# Altium PCB eRTM15_Baikal.PcbDoc (part 2 of 7)
Units mm, origin at the board's own origin, x right, y up, seen from the top; angles counter-clockwise.
Board outline 161.5 x 148.5 mm, 8 copper layers (Top Layer, RF_Layer_1, GND_PWR_Plane, RF_Layer_3, RF_Layer_4, GND_PWR_Plane_2, RF_Layer_6, Bottom Layer), stack 1.462 mm thick; 749 components, 528 nets, 2540 pads, 2420 vias.
Unrouted connection lines stored in the file: 24.
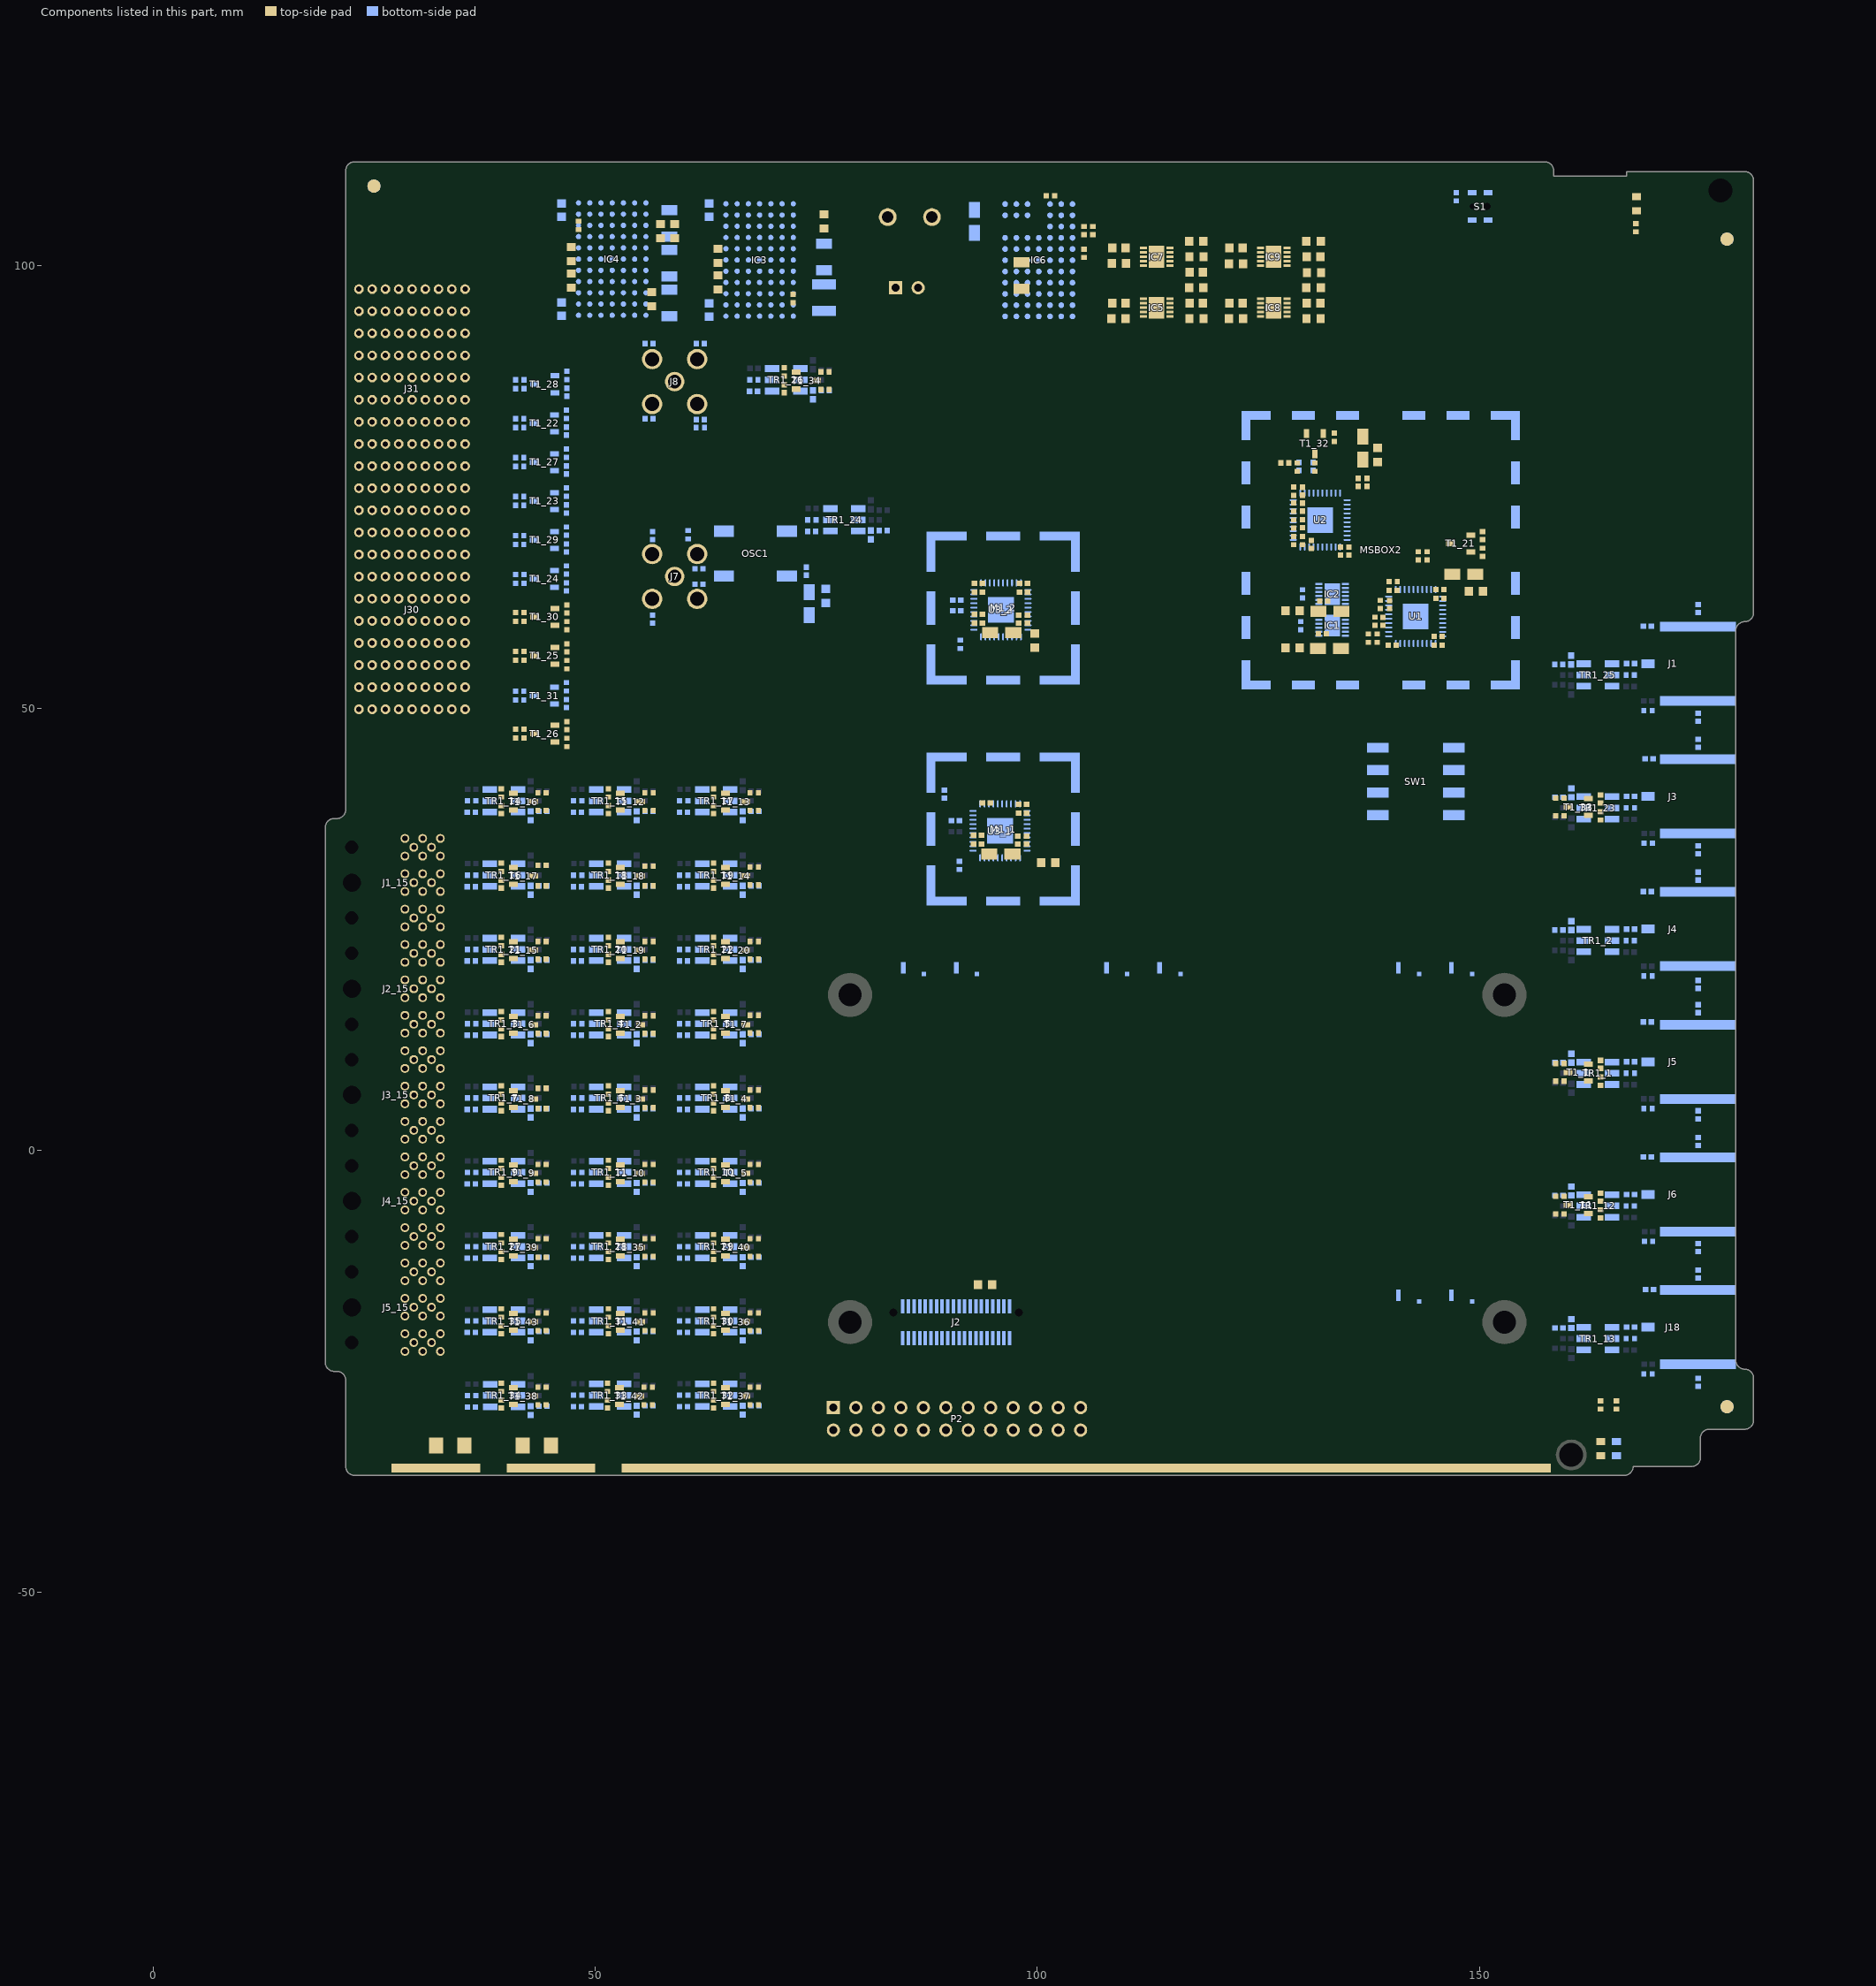
[diagram p8: the components of this part, seen from the top]

## Components (designator, comment, footprint, x,y, rotation, side; value= is the part's Value field where it differs from the comment) (continued)
C11_2 "10nF" CAPC1005X55N 90.9,61 r0 bottom (schematic designator C11)
C12_1 "1nF" CAPC1005X55N 159,9.9 r0 bottom (schematic designator C12)
C12_2 "1nF" CAPC1005X55N 158.995,24.9 r0 bottom (schematic designator C12)
C12_3 "1nF" CAPC1005X55N 44.105,13.1 r180 bottom (schematic designator C12)
C12_4 "1nF" CAPC1005X55N 56.105,13.1 r180 bottom (schematic designator C12)
C12_5 "1nF" CAPC1005X55N 68.105,13.1 r180 bottom (schematic designator C12)
C12_6 "1nF" CAPC1005X55N 56.105,4.7 r180 bottom (schematic designator C12)
C12_7 "1nF" CAPC1005X55N 44.105,4.7 r180 bottom (schematic designator C12)
C12_8 "1nF" CAPC1005X55N 68.105,4.7 r180 bottom (schematic designator C12)
C12_9 "1nF" CAPC1005X55N 44.105,-3.7 r180 bottom (schematic designator C12)
C12_10 "1nF" CAPC1005X55N 68.105,-3.7 r180 bottom (schematic designator C12)
C12_11 "1nF" CAPC1005X55N 56.105,-3.7 r180 bottom (schematic designator C12)
C12_12 "1nF" CAPC1005X55N 158.995,-5.1 r0 bottom (schematic designator C12)
C12_13 "1nF" CAPC1005X55N 159,-20.1 r0 bottom (schematic designator C12)
C12_14 "1nF" CAPC1005X55N 44.105,38.3 r180 bottom (schematic designator C12)
C12_15 "1nF" CAPC1005X55N 56.105,38.3 r180 bottom (schematic designator C12)
C12_16 "1nF" CAPC1005X55N 44.105,29.9 r180 bottom (schematic designator C12)
C12_17 "1nF" CAPC1005X55N 68.105,38.3 r180 bottom (schematic designator C12)
C12_18 "1nF" CAPC1005X55N 56.105,29.9 r180 bottom (schematic designator C12)
C12_19 "1nF" CAPC1005X55N 68.105,29.9 r180 bottom (schematic designator C12)
C12_20 "1nF" CAPC1005X55N 56.105,21.5 r180 bottom (schematic designator C12)
C12_21 "1nF" CAPC1005X55N 44.105,21.5 r180 bottom (schematic designator C12)
C12_22 "1nF" CAPC1005X55N 68.105,21.5 r180 bottom (schematic designator C12)
C12_23 "1nF" CAPC1005X55N 159,39.9 r0 bottom (schematic designator C12)
C12_24 "1nF" CAPC1005X55N 82.59,70.07 r180 bottom (schematic designator C12)
C12_25 "1nF" CAPC1005X55N 158.99,54.93 r0 bottom (schematic designator C12)
C12_26 "1nF" CAPC1005X55N 76.03,85.9 r180 bottom (schematic designator C12)
C12_27 "1nF" CAPC1005X55N 44.105,-12.1 r180 bottom (schematic designator C12)
C12_28 "1nF" CAPC1005X55N 56.105,-12.1 r180 bottom (schematic designator C12)
C12_29 "1nF" CAPC1005X55N 68.105,-12.1 r180 bottom (schematic designator C12)
C12_30 "1nF" CAPC1005X55N 68.105,-20.5 r180 bottom (schematic designator C12)
C12_31 "1nF" CAPC1005X55N 56.105,-20.5 r180 bottom (schematic designator C12)
C12_32 "1nF" CAPC1005X55N 68.105,-28.9 r180 bottom (schematic designator C12)
C12_33 "1nF" CAPC1005X55N 56.105,-28.9 r180 bottom (schematic designator C12)
C12_34 "1nF" CAPC1005X55N 44.11,-28.93 r180 bottom (schematic designator C12)
C12_35 "1nF" CAPC1005X55N 44.105,-20.5 r180 bottom (schematic designator C12)
C13_1 "CAP 0.5pF 10V 0402(1005)" CAPC0402(1005)60_M 160.4,10.4 r90 bottom value=0.5pF (schematic designator C13)
C13_2 "CAP 0.5pF 10V 0402(1005)" CAPC0402(1005)60_M 160.395,25.4 r90 bottom value=0.5pF (schematic designator C13)
C13_3 "CAP 0.5pF 10V 0402(1005)" CAPC0402(1005)60_M 42.705,12.6 r270 bottom value=0.5pF (schematic designator C13)
C13_4 "CAP 0.5pF 10V 0402(1005)" CAPC0402(1005)60_M 54.705,12.6 r270 bottom value=0.5pF (schematic designator C13)
C13_5 "CAP 0.5pF 10V 0402(1005)" CAPC0402(1005)60_M 66.705,12.6 r270 bottom value=0.5pF (schematic designator C13)
C13_6 "CAP 0.5pF 10V 0402(1005)" CAPC0402(1005)60_M 54.705,4.2 r270 bottom value=0.5pF (schematic designator C13)
C13_7 "CAP 0.5pF 10V 0402(1005)" CAPC0402(1005)60_M 42.705,4.2 r270 bottom value=0.5pF (schematic designator C13)
C13_8 "CAP 0.5pF 10V 0402(1005)" CAPC0402(1005)60_M 66.705,4.2 r270 bottom value=0.5pF (schematic designator C13)
C13_9 "CAP 0.5pF 10V 0402(1005)" CAPC0402(1005)60_M 42.705,-4.2 r270 bottom value=0.5pF (schematic designator C13)
C13_10 "CAP 0.5pF 10V 0402(1005)" CAPC0402(1005)60_M 66.705,-4.2 r270 bottom value=0.5pF (schematic designator C13)
C13_11 "CAP 0.5pF 10V 0402(1005)" CAPC0402(1005)60_M 54.705,-4.2 r270 bottom value=0.5pF (schematic designator C13)
C13_12 "CAP 0.5pF 10V 0402(1005)" CAPC0402(1005)60_M 160.395,-4.6 r90 bottom value=0.5pF (schematic designator C13)
C13_13 "CAP 0.5pF 10V 0402(1005)" CAPC0402(1005)60_M 160.4,-19.6 r90 bottom value=0.5pF (schematic designator C13)
C13_14 "CAP 0.5pF 10V 0402(1005)" CAPC0402(1005)60_M 42.705,37.8 r270 bottom value=0.5pF (schematic designator C13)
C13_15 "CAP 0.5pF 10V 0402(1005)" CAPC0402(1005)60_M 54.705,37.8 r270 bottom value=0.5pF (schematic designator C13)
C13_16 "CAP 0.5pF 10V 0402(1005)" CAPC0402(1005)60_M 42.705,29.4 r270 bottom value=0.5pF (schematic designator C13)
C13_17 "CAP 0.5pF 10V 0402(1005)" CAPC0402(1005)60_M 66.705,37.8 r270 bottom value=0.5pF (schematic designator C13)
C13_18 "CAP 0.5pF 10V 0402(1005)" CAPC0402(1005)60_M 54.705,29.4 r270 bottom value=0.5pF (schematic designator C13)
C13_19 "CAP 0.5pF 10V 0402(1005)" CAPC0402(1005)60_M 66.705,29.4 r270 bottom value=0.5pF (schematic designator C13)
C13_20 "CAP 0.5pF 10V 0402(1005)" CAPC0402(1005)60_M 54.705,21 r270 bottom value=0.5pF (schematic designator C13)
C13_21 "CAP 0.5pF 10V 0402(1005)" CAPC0402(1005)60_M 42.705,21 r270 bottom value=0.5pF (schematic designator C13)
C13_22 "CAP 0.5pF 10V 0402(1005)" CAPC0402(1005)60_M 66.705,21 r270 bottom value=0.5pF (schematic designator C13)
C13_23 "CAP 0.5pF 10V 0402(1005)" CAPC0402(1005)60_M 160.4,40.4 r90 bottom value=0.5pF (schematic designator C13)
C13_24 "CAP 0.5pF 10V 0402(1005)" CAPC0402(1005)60_M 81.19,69.57 r270 bottom value=0.5pF (schematic designator C13)
C13_25 "CAP 0.5pF 10V 0402(1005)" CAPC0402(1005)60_M 160.39,55.43 r90 bottom value=0.5pF (schematic designator C13)
C13_26 "CAP 0.5pF 10V 0402(1005)" CAPC0402(1005)60_M 74.63,85.4 r270 bottom value=0.5pF (schematic designator C13)
C13_27 "CAP 0.5pF 10V 0402(1005)" CAPC0402(1005)60_M 42.705,-12.6 r270 bottom value=0.5pF (schematic designator C13)
C13_28 "CAP 0.5pF 10V 0402(1005)" CAPC0402(1005)60_M 54.705,-12.6 r270 bottom value=0.5pF (schematic designator C13)
C13_29 "CAP 0.5pF 10V 0402(1005)" CAPC0402(1005)60_M 66.705,-12.6 r270 bottom value=0.5pF (schematic designator C13)
C13_30 "CAP 0.5pF 10V 0402(1005)" CAPC0402(1005)60_M 66.705,-21 r270 bottom value=0.5pF (schematic designator C13)
C13_31 "CAP 0.5pF 10V 0402(1005)" CAPC0402(1005)60_M 54.705,-21 r270 bottom value=0.5pF (schematic designator C13)
C13_32 "CAP 0.5pF 10V 0402(1005)" CAPC0402(1005)60_M 66.705,-29.4 r270 bottom value=0.5pF (schematic designator C13)
C13_33 "CAP 0.5pF 10V 0402(1005)" CAPC0402(1005)60_M 54.705,-29.4 r270 bottom value=0.5pF (schematic designator C13)
C13_34 "CAP 0.5pF 10V 0402(1005)" CAPC0402(1005)60_M 42.71,-29.43 r270 bottom value=0.5pF (schematic designator C13)
C13_35 "CAP 0.5pF 10V 0402(1005)" CAPC0402(1005)60_M 42.705,-21 r270 bottom value=0.5pF (schematic designator C13)
C14 "10uF" CAPMP3216X180N 74.203,61.77 r270 bottom
C15 "100nF" CAPC1005X55N 73.903,65.47 r270 bottom
C16 "1000pF" CAPC1005X55N 61.75,65.75 r0 bottom
C17_1 "1nF" CAPC1005X55N 167.1,10 r0 bottom (schematic designator C17)
C17_2 "1nF" CAPC1005X55N 167.095,25 r0 bottom (schematic designator C17)
C17_3 "1nF" CAPC1005X55N 36.005,13 r180 bottom (schematic designator C17)
C17_4 "1nF" CAPC1005X55N 48.005,13 r180 bottom (schematic designator C17)
C17_5 "1nF" CAPC1005X55N 60.005,13 r180 bottom (schematic designator C17)
C17_6 "1nF" CAPC1005X55N 48.005,4.6 r180 bottom (schematic designator C17)
C17_7 "1nF" CAPC1005X55N 36.005,4.6 r180 bottom (schematic designator C17)
C17_8 "1nF" CAPC1005X55N 60.005,4.6 r180 bottom (schematic designator C17)
C17_9 "1nF" CAPC1005X55N 36.005,-3.8 r180 bottom (schematic designator C17)
C17_10 "1nF" CAPC1005X55N 60.005,-3.8 r180 bottom (schematic designator C17)
C17_11 "1nF" CAPC1005X55N 48.005,-3.8 r180 bottom (schematic designator C17)
C17_12 "1nF" CAPC1005X55N 167.095,-5 r0 bottom (schematic designator C17)
C17_13 "1nF" CAPC1005X55N 167.1,-20 r0 bottom (schematic designator C17)
C17_14 "1nF" CAPC1005X55N 36.005,38.2 r180 bottom (schematic designator C17)
C17_15 "1nF" CAPC1005X55N 48.005,38.2 r180 bottom (schematic designator C17)
C17_16 "1nF" CAPC1005X55N 36.005,29.8 r180 bottom (schematic designator C17)
C17_17 "1nF" CAPC1005X55N 60.005,38.2 r180 bottom (schematic designator C17)
C17_18 "1nF" CAPC1005X55N 48.005,29.8 r180 bottom (schematic designator C17)
C17_19 "1nF" CAPC1005X55N 60.005,29.8 r180 bottom (schematic designator C17)
C17_20 "1nF" CAPC1005X55N 48.005,21.4 r180 bottom (schematic designator C17)
C17_21 "1nF" CAPC1005X55N 36.005,21.4 r180 bottom (schematic designator C17)
C17_22 "1nF" CAPC1005X55N 60.005,21.4 r180 bottom (schematic designator C17)
C17_23 "1nF" CAPC1005X55N 167.1,40 r0 bottom (schematic designator C17)
C17_24 "1nF" CAPC1005X55N 74.49,69.97 r180 bottom (schematic designator C17)
C17_25 "1nF" CAPC1005X55N 167.09,55.03 r0 bottom (schematic designator C17)
C17_26 "1nF" CAPC1005X55N 67.93,85.8 r180 bottom (schematic designator C17)
C17_27 "1nF" CAPC1005X55N 36.005,-12.2 r180 bottom (schematic designator C17)
C17_28 "1nF" CAPC1005X55N 48.005,-12.2 r180 bottom (schematic designator C17)
C17_29 "1nF" CAPC1005X55N 60.005,-12.2 r180 bottom (schematic designator C17)
C17_30 "1nF" CAPC1005X55N 60.005,-20.6 r180 bottom (schematic designator C17)
C17_31 "1nF" CAPC1005X55N 48.005,-20.6 r180 bottom (schematic designator C17)
C17_32 "1nF" CAPC1005X55N 60.005,-29 r180 bottom (schematic designator C17)
C17_33 "1nF" CAPC1005X55N 48.005,-29 r180 bottom (schematic designator C17)
C17_34 "1nF" CAPC1005X55N 36.01,-29.03 r180 bottom (schematic designator C17)
C17_35 "1nF" CAPC1005X55N 36.005,-20.6 r180 bottom (schematic designator C17)
C18 "10nF" CAPC1005X55N 139.1,59.8 r90 top
C19 "10nF" CAPC1005X55N 139.85,61.7 r270 top
C20 "10uF" CAPMP3216X180N 133.05,56.7 r180 top
C21 "100nF" CAPC1005X55N 132.25,58.4 r180 top
C22 "10uF" CAPMP3216X180N 133.1,60.9 r0 top
C23 "100nF" CAPC1005X55N 132.4,62.1 r180 top
C24 "10uF" CAPMP3216X180N 148.25,65.1 r0 top
C25_1 "10nF" CAPC1005X55N 90.75,37.25 r0 bottom (schematic designator C25)
C25_2 "10nF" CAPC1005X55N 90.9,62.2 r0 bottom (schematic designator C25)
C26 "4.7uF" CAPC1709X95N 62.9,106.3 r90 bottom
C27 "22uF" CAPC3225X270N 75.9,96.4 r90 bottom
C28 "100nF" CAPC1005X55N 145.55,62.4 r180 top
C29 "100nF" CAPC1005X55N 145.35,58.1 r0 top
C30 "100nF" CAPC1005X55N 140.25,63.3 r180 top
C31 "100nF" CAPC1005X55N 140.15,57.1 r180 top
C32 "100nF" CAPC1005X55N 145.35,57.1 r0 top
C33 "100nF" CAPC1005X55N 145.55,63.4 r180 top
C34 "10nF" CAPC1005X55N 130,70.85 r90 top
C35 "10nF" CAPC1005X55N 130,72.7 r270 top
C36 "10nF" CAPC1005X55N 131.2,77.3 r90 bottom
C37 "100pF" CAPC1005X55N 61.9,91.2 r0 bottom
C38 "10nF" CAPC1005X55N 129.6,77.3 r90 bottom
C39 "10uF" CAPMP3216X180N 136.8,79.4 r90 top
C40 "100nF" CAPC1005X55N 131,68.5 r90 top
C41 "100nF" CAPC1005X55N 135.25,67.75 r90 top
C42 "100nF" CAPC1005X55N 130,74.5 r270 top
C43 "100nF" CAPC1005X55N 134.3,67.75 r90 top
C44 "100nF" CAPC1005X55N 136.3,75.5 r270 top
C45 "100nF" CAPC1005X55N 137.3,75.5 r270 top
C46 "4.7uF" CAPC1709X95N 46.2,106.3 r90 bottom
C47 "47uF" CAPC3216X180N 58.4,95.8 r270 bottom
C48 "4.7uF" CAPC1709X95N 46.2,95.1 r270 bottom
C49 "4.7uF" CAPC1709X95N 62.9,95 r270 bottom
C50_1 "10nF" CAPC1005X55N 93.25,35.6 r180 top (schematic designator C50)
C50_2 "10nF" CAPC1005X55N 93.35,60.6 r180 top (schematic designator C50)
C51_1 "10nF" CAPC1005X55N 89.5,40.25 r270 bottom (schematic designator C51)
C51_2 "10nF" CAPC1005X55N 93.35,63.1 r180 top (schematic designator C51)
C52_1 "10uF" CAPMP3216X180N 95.9,33.5 r180 top (schematic designator C52)
C52_2 "10uF" CAPMP3216X180N 96,58.5 r180 top (schematic designator C52)
C53_1 "100nF" CAPC1005X55N 98.8,35.05 r270 top (schematic designator C53)
C53_2 "100nF" CAPC1005X55N 98.9,60.05 r270 top (schematic designator C53)
C54_1 "100nF" CAPC1005X55N 93.25,34.6 r180 top (schematic designator C54)
C54_2 "100nF" CAPC1005X55N 93.35,59.6 r180 top (schematic designator C54)
C55_1 "100nF" CAPC1005X55N 94.25,39.25 r0 top (schematic designator C55)
C55_2 "100nF" CAPC1005X55N 93.35,64.1 r180 top (schematic designator C55)
C56_1 "100nF" CAPC1005X55N 98.35,38.1 r0 top (schematic designator C56)
C56_2 "100nF" CAPC1005X55N 98.45,63.1 r0 top (schematic designator C56)
C57_1 "100nF" CAPC1005X55N 98.35,39.1 r0 top (schematic designator C57)
C57_2 "100nF" CAPC1005X55N 98.45,64.1 r0 top (schematic designator C57)
C58_1 "100nF" CAPC1005X55N 97.8,35.05 r270 top (schematic designator C58)
C58_2 "100nF" CAPC1005X55N 97.9,60.05 r270 top (schematic designator C58)
C59_1 "100nF" CAPC1005X55N 163.7,9.7 r270 top (schematic designator C59)
C59_2 "100nF" CAPC1005X55N 51.5,13.3 r90 top (schematic designator C59)
C59_3 "100nF" CAPC1005X55N 51.5,4.9 r90 top (schematic designator C59)
C59_4 "100nF" CAPC1005X55N 63.4,4.9 r90 top (schematic designator C59)
C59_5 "100nF" CAPC1005X55N 63.4,-3.5 r90 top (schematic designator C59)
C59_6 "100nF" CAPC1005X55N 39.4,13.3 r90 top (schematic designator C59)
C59_7 "100nF" CAPC1005X55N 63.4,13.3 r90 top (schematic designator C59)
C59_8 "100nF" CAPC1005X55N 39.4,4.9 r90 top (schematic designator C59)
C59_9 "100nF" CAPC1005X55N 39.4,-3.5 r90 top (schematic designator C59)
C59_10 "100nF" CAPC1005X55N 51.5,-3.5 r90 top (schematic designator C59)
C59_11 "100nF" CAPC1005X55N 163.7,-5.3 r270 top (schematic designator C59)
C59_12 "100nF" CAPC1005X55N 51.5,38.5 r90 top (schematic designator C59)
C59_13 "100nF" CAPC1005X55N 63.4,38.5 r90 top (schematic designator C59)
C59_14 "100nF" CAPC1005X55N 63.4,30.1 r90 top (schematic designator C59)
C59_15 "100nF" CAPC1005X55N 39.4,21.7 r90 top (schematic designator C59)
C59_16 "100nF" CAPC1005X55N 39.4,38.5 r90 top (schematic designator C59)
C59_17 "100nF" CAPC1005X55N 39.4,30.1 r90 top (schematic designator C59)
C59_18 "100nF" CAPC1005X55N 51.5,30.1 r90 top (schematic designator C59)
C59_19 "100nF" CAPC1005X55N 51.5,21.7 r90 top (schematic designator C59)
C59_20 "100nF" CAPC1005X55N 63.4,21.7 r90 top (schematic designator C59)
C59_21 "100nF" CAPC1005X55N 150.37,69.5 r270 top (schematic designator C59)
C59_22 "100nF" CAPC1005X55N 46.775,81.3 r90 bottom (schematic designator C59)
C59_23 "100nF" CAPC1005X55N 46.775,72.5 r90 bottom (schematic designator C59)
C59_24 "100nF" CAPC1005X55N 46.775,63.7 r90 bottom (schematic designator C59)
C59_25 "100nF" CAPC1005X55N 46.8,56.8 r270 top (schematic designator C59)
C59_26 "100nF" CAPC1005X55N 46.8,48 r270 top (schematic designator C59)
C59_27 "100nF" CAPC1005X55N 46.775,76.9 r90 bottom (schematic designator C59)
C59_28 "100nF" CAPC1005X55N 46.8,85.7 r90 bottom (schematic designator C59)
C59_29 "100nF" CAPC1005X55N 46.775,68.1 r90 bottom (schematic designator C59)
C59_30 "100nF" CAPC1005X55N 46.8,61.2 r270 top (schematic designator C59)
C59_31 "100nF" CAPC1005X55N 46.775,50.5 r90 bottom (schematic designator C59)
C59_32 "100nF" CAPC1005X55N 128,77.7 r0 top (schematic designator C59)
C59_33 "100nF" CAPC1005X55N 163.7,39.7 r270 top (schematic designator C59)
C59_34 "100nF" CAPC1005X55N 71.4,86.1 r90 top (schematic designator C59)
C59_35 "100nF" CAPC1005X55N 51.5,-11.9 r90 top (schematic designator C59)
C59_36 "100nF" CAPC1005X55N 63.4,-20.3 r90 top (schematic designator C59)
C59_37 "100nF" CAPC1005X55N 63.4,-28.7 r90 top (schematic designator C59)
C59_38 "100nF" CAPC1005X55N 39.4,-28.7 r90 top (schematic designator C59)
C59_39 "100nF" CAPC1005X55N 39.4,-11.9 r90 top (schematic designator C59)
C59_40 "100nF" CAPC1005X55N 63.4,-11.9 r90 top (schematic designator C59)
C59_41 "100nF" CAPC1005X55N 51.5,-20.3 r90 top (schematic designator C59)
C59_42 "100nF" CAPC1005X55N 51.4,-28.7 r90 top (schematic designator C59)
C59_43 "100nF" CAPC1005X55N 39.4,-20.3 r90 top (schematic designator C59)
C60 "47uF" CAPC3216X180N 75.9,101 r270 bottom
C61 "47uF" CAPC3216X180N 58.4,100.3 r270 bottom
C62 "100uF" CAPC3216X180N 58.4,104.8 r270 bottom
C63 "10uF" CAPC1608X87N 118,97.5 r180 top
C64 "4.7uF" CAPC1709X95N 109.25,95.75 r0 top
C65 "22uF" CAPC3216X180N 98.2,98.9 r90 top
C66 "4.7uF" CAPC1709X95N 118,95.75 r180 top
C67 "2.2uF" CAPMP3216X180N 92.9,105 r270 bottom
C68 "10uF" CAPC1608X87N 118,102.75 r180 top
C69 "4.7uF" CAPC1709X95N 109.25,102 r0 top
C70 "4.7uF" CAPC1709X95N 118,99.25 r180 top
C71 "10uF" CAPC1608X87N 131.25,97.5 r180 top
C72 "4.7uF" CAPC1709X95N 122.5,95.75 r0 top
C73 "4.7uF" CAPC1709X95N 131.25,95.75 r180 top
C74 "10uF" CAPC1608X87N 131.25,102.75 r180 top
C75 "4.7uF" CAPC1709X95N 122.5,102 r0 top
C76 "4.7uF" CAPC1709X95N 131.25,101 r180 top
C77 "1000pF" CAPC1005X55N 174.75,61.25 r90 bottom
C78 "1000pF" CAPC1005X55N 174.75,33.95 r270 bottom
C79 "1000pF" CAPC1005X55N 174.75,48.95 r270 bottom
C80 "1000pF" CAPC1005X55N 174.75,46 r90 bottom
C81 "1000pF" CAPC1005X55N 169,59.25 r180 bottom
C82 "1000pF" CAPC1005X55N 169.2,44.25 r180 bottom
C83 "1000pF" CAPC1005X55N 169,29.25 r180 bottom
C84 "1000pF" CAPC1005X55N 174.75,4 r270 bottom
C85 "1000pF" CAPC1005X55N 174.75,31 r90 bottom
C86 "1000pF" CAPC1005X55N 169,14.5 r180 bottom
C87 "1000pF" CAPC1005X55N 174.75,18.75 r270 bottom
C88 "1000pF" CAPC1005X55N 174.75,16 r90 bottom
C89 "1000pF" CAPC1005X55N 174.75,-26.25 r270 bottom
C90 "1000pF" CAPC1005X55N 174.75,1 r90 bottom
C91 "1000pF" CAPC1005X55N 174.75,-14 r90 bottom
C92 "1000pF" CAPC1005X55N 174.75,-11 r270 bottom
C93 "1000pF" CAPC1005X55N 169.25,-15.75 r180 bottom
C94 "1000pF" CAPC1005X55N 169,-0.75 r180 bottom
C95 "1000pF" CAPC1005X55N 56.5,69.5 r270 bottom
C96 "1000pF" CAPC1005X55N 61.75,64 r180 bottom
C97 "1000pF" CAPC1005X55N 56.5,60.05 r90 bottom
C98 "100pF" CAPC1005X55N 56.1,82.7 r180 bottom
C99 "100pF" CAPC1005X55N 56.1,91.2 r180 bottom
C100 "100pF" CAPC1005X55N 61.9,82.6 r0 bottom
ESD1 "ESD" "ESD 1&2" 32,-35.95 r0 top locked
ESD2 "ESD" "ESD 1&2" 45,-35.95 r0 top locked
ESD3 "ESD" "ESD 3" 105.55,-35.95 r0 top locked
IC1 "LTC6957IDD-1#PBF" SON45P300X300X80-13N-R175X248 133.35,59.3 r0 bottom
IC2 "LTC6957IDD-1#PBF" SON45P300X300X80-13N-R175X248 133.35,62.875 r0 bottom
IC3 "LTM8049EY#PBF" BGA77C127P7X11_900X1500X262 68.61,100.65 r180 bottom
IC4 "LTM8049EY#PBF" BGA77C127P7X11_900X1500X262 51.94,100.75 r180 bottom locked
IC5 "LT3045EDD#PBF" SON50P300X300X80-11N-R175X248 113.5,95.25 r0 top
IC6 "LTM8032EV#PBF" LGA71S127P7X11_900X1500X297 100.18,100.62 r0 bottom
IC7 "LT3045EDD#PBF" SON50P300X300X80-11N-R175X248 113.5,101 r0 top
IC8 "LT3045EDD#PBF" SON50P300X300X80-11N-R175X248 126.75,95.25 r0 top
IC9 "LT3045EDD#PBF" SON50P300X300X80-11N-R175X248 126.75,101 r0 top
J1 "SMA" TELEGARTNER_J01151A0451 169.05,55 r0 bottom
J1_15 "CoaxiPack (Radiall)" Coaxipack2 19.5,30.25 r90 bottom locked value="Coaxipack 2"
J2 "Familly" SAMTEC_LSS-120-03-L-DV-A 90.84,-19.44 r180 bottom
J2_15 "CoaxiPack (Radiall)" Coaxipack2 19.5,18.25 r90 bottom locked value="Coaxipack 2"
J3 "SMA" TELEGARTNER_J01151A0451 169.05,40 r0 bottom
J3_15 "CoaxiPack (Radiall)" Coaxipack2 19.5,6.25 r90 bottom locked value="Coaxipack 2"
J4 "SMA" TELEGARTNER_J01151A0451 169.05,25 r0 bottom
J4_15 "CoaxiPack (Radiall)" Coaxipack2 19.5,-5.75 r90 bottom locked value="Coaxipack 2"
J5 "SMA" TELEGARTNER_J01151A0451 169.05,10 r0 bottom
J5_15 "CoaxiPack (Radiall)" Coaxipack2 19.5,-17.75 r90 bottom locked value="Coaxipack 2"
J6 "SMA" TELEGARTNER_J01151A0451 169.05,-5 r0 bottom
J7 "SMA" HUBER-SUHNER_82_SMA-50-0-41/133_NE 59.003,64.87 r0 bottom
J8 "SMA" HUBER-SUHNER_82_SMA-50-0-41/133_NE 59,86.9 r0 bottom
J9 "SMP" MOLEX_85305-0232 146.84,-19.44 r180 bottom
J10 "SMP" MOLEX_85305-0232 84.84,17.56 r180 bottom
J11 "SMP" MOLEX_85305-0232 140.84,-19.44 r180 bottom
J12 "SMP" MOLEX_85305-0232 90.84,17.56 r180 bottom
J13 "SMP" MOLEX_85305-0232 140.84,17.56 r180 bottom
J14 "SMP" MOLEX_85305-0232 107.84,17.56 r180 bottom
J15 "SMP" MOLEX_85305-0232 146.84,17.56 r180 bottom
J16 "SMP" MOLEX_85305-0232 113.84,17.56 r180 bottom
J17 "Terminal" WIELAND_25.161.0253.0 85.6,105.5 r0 bottom
J18 "SMA" TELEGARTNER_J01151A0451 169.05,-20 r0 bottom locked
J30 "ERmetZD" "ERmet ZD 3-10 Connector 973028" 23.3,72.35 r270 bottom locked
J31 "ERmetZD" "ERmet ZD 3-10 Connector 973028" 23.3,97.35 r270 bottom locked
L1 "390R@100MHz" INDC1608X95N 76.103,62.67 r270 bottom
L2 "390R@100MHz" INDC1608X95N 128.9,56.8 r0 top
L3 "390R@100MHz" INDC1608X95N 149.6,63.2 r0 top
L4 "390R@100MHz" INDC1608X95N 128.9,61 r0 top
L5 "390R@100MHz" INDC1608X95N 94.1,-15.2 r0 top
L6 "390R@100MHz" INDC1608X95N 109.2,94 r0 top
L7 "390R@100MHz" INDC1608X95N 109.25,100.25 r0 top
L8_1 "390R@100MHz" INDC1608X95N 101.25,32.5 r0 top (schematic designator L8)
L8_2 "390R@100MHz" INDC1608X95N 99.7,57.6 r270 top (schematic designator L8)
L9 "390R@100MHz" INDC1608X95N 122.5,94 r0 top
L10 "390R@100MHz" INDC1608X95N 122.5,100.2 r0 top
L11 "390R@100MHz" INDC1608X95N 138.5,78.6 r90 top
LED0 "BLUE" 0603LED 167.75,107 r270 top locked
LED1 "RED" 0603LED 165.5,-33.75 r90 bottom locked
LED2 "GREEN" 0603LED 163.725,-33.75 r90 top
M1_1 "Shield" BMI-S-202-F 104.8,27.65 r180 bottom (schematic designator M1)
M1_2 "Shield" BMI-S-202-F 104.8,52.65 r180 bottom locked (schematic designator M1)
MSBOX2 "Metal Screening Box 4x5 Pins" MSBOX_WURTH_36103305 138.85,67.85 r0 bottom locked
OSC1 "100MHz" OSC_CRYSTEK_CVHD-950 68.13,67.445 r0 bottom
P1 "Header 2" HDR1X2 84,97.5 r0 top
P2 "Header 12X2" HDR2X12 76.96,-29.1 r0 bottom
R1 "10k" RESC1005X40N 147.4,107.8 r90 bottom
R1_1 "0" RESC1005X40N 167.07,8.7 r0 bottom (schematic designator R1)
R1_2 "0" RESC1005X40N 167.065,23.7 r0 bottom (schematic designator R1)
R1_3 "0" RESC1005X40N 36.035,14.3 r180 bottom (schematic designator R1)
R1_4 "0" RESC1005X40N 48.035,14.3 r180 bottom (schematic designator R1)
R1_5 "0" RESC1005X40N 60.035,14.3 r180 bottom (schematic designator R1)
R1_6 "0" RESC1005X40N 48.035,5.9 r180 bottom (schematic designator R1)
R1_7 "0" RESC1005X40N 36.035,5.9 r180 bottom (schematic designator R1)
R1_8 "0" RESC1005X40N 60.035,5.9 r180 bottom (schematic designator R1)
R1_9 "0" RESC1005X40N 36.035,-2.5 r180 bottom (schematic designator R1)
R1_10 "0" RESC1005X40N 60.035,-2.5 r180 bottom (schematic designator R1)
R1_11 "0" RESC1005X40N 48.035,-2.5 r180 bottom (schematic designator R1)
R1_12 "0" RESC1005X40N 167.065,-6.3 r0 bottom (schematic designator R1)
R1_13 "0" RESC1005X40N 167.07,-21.3 r0 bottom (schematic designator R1)
R1_14 "0" RESC1005X40N 36.035,39.5 r180 bottom (schematic designator R1)
R1_15 "0" RESC1005X40N 48.035,39.5 r180 bottom (schematic designator R1)
R1_16 "0" RESC1005X40N 36.035,31.1 r180 bottom (schematic designator R1)
R1_17 "0" RESC1005X40N 60.035,39.5 r180 bottom (schematic designator R1)
R1_18 "0" RESC1005X40N 48.035,31.1 r180 bottom (schematic designator R1)
R1_19 "0" RESC1005X40N 60.035,31.1 r180 bottom (schematic designator R1)
R1_20 "0" RESC1005X40N 48.035,22.7 r180 bottom (schematic designator R1)
R1_21 "0" RESC1005X40N 36.035,22.7 r180 bottom (schematic designator R1)
R1_22 "0" RESC1005X40N 60.035,22.7 r180 bottom (schematic designator R1)
R1_23 "0" RESC1005X40N 167.07,38.7 r0 bottom (schematic designator R1)
R1_24 "0" RESC1005X40N 74.52,71.27 r180 bottom (schematic designator R1)
R1_25 "0" RESC1005X40N 167.06,53.73 r0 bottom (schematic designator R1)
R1_26 "0" RESC1005X40N 67.96,87.1 r180 bottom (schematic designator R1)
R1_27 "0" RESC1005X40N 36.035,-10.9 r180 bottom (schematic designator R1)
R1_28 "0" RESC1005X40N 48.035,-10.9 r180 bottom (schematic designator R1)
R1_29 "0" RESC1005X40N 60.035,-10.9 r180 bottom (schematic designator R1)
R1_30 "0" RESC1005X40N 60.035,-19.3 r180 bottom (schematic designator R1)
R1_31 "0" RESC1005X40N 48.035,-19.3 r180 bottom (schematic designator R1)
R1_32 "0" RESC1005X40N 60.035,-27.7 r180 bottom (schematic designator R1)
R1_33 "0" RESC1005X40N 48.035,-27.7 r180 bottom (schematic designator R1)
R1_34 "0" RESC1005X40N 36.04,-27.73 r180 bottom (schematic designator R1)
R1_35 "0" RESC1005X40N 36.035,-19.3 r180 bottom (schematic designator R1)
R2 "330" RESC1005X40N 163.7,-28.8 r270 top
R3 "100" RESC1005X40N 129.8,59.3 r270 bottom
R4 "330" RESC1005X40N 165.5,-28.8 r270 top
R5 "49R9" RESC1005X40N 137.45,57.9 r90 top
R6 "330" RESC1005X40N 167.7,104.3 r90 top
R7 "DNP" RESC1005X40N 138.2,59.8 r270 top value=0
R8 "49R9" RESC1005X40N 140.25,64.3 r180 top
R9 "DNP" RESC1005X40N 138.8,61.7 r90 top value=0
R10 "100" RESC1005X40N 130,62.9 r90 bottom
R11 "4k7" RESC1005X40N 138.45,57.9 r270 top
R12 "49R9" RESC1005X40N 130,68.93 r90 top
R13 "DNP" RESC1005X40N 129,70.8 r270 top value=0
R14 "130k" RESC1005X40N 72.4,96.3 r270 top
R15 "57k6" RESC1608X55N 56.4,96.2 r270 top
R16 "4k7" RESC1005X40N 48.13,104.56 r270 top
R17 "10M" 1206_ZE 33.6,-33.4 r180 top
R18 "10M" 1206_ZE 43.4,-33.4 r0 top
R19 "80k6" RESC1608X55N 63.9,101.1 r90 top
R20_1 "4k7" RESC1005X40N 91.2,32.2 r90 bottom (schematic designator R20)
R20_2 "4k7" RESC1005X40N 91.3,57.2 r90 bottom (schematic designator R20)
R21_1 "200" RESC1005X40N 159.1,7.8 r0 top (schematic designator R21)
R21_2 "200" RESC1005X40N 56.1,15.2 r180 top (schematic designator R21)
R21_3 "200" RESC1005X40N 56.1,6.8 r180 top (schematic designator R21)
R21_4 "200" RESC1005X40N 68,6.8 r180 top (schematic designator R21)
R21_5 "200" RESC1005X40N 68,-1.6 r180 top (schematic designator R21)
R21_6 "200" RESC1005X40N 44,15.2 r180 top (schematic designator R21)
R21_7 "200" RESC1005X40N 68,13.25 r180 top (schematic designator R21)
R21_8 "200" RESC1005X40N 44,4.7 r180 top (schematic designator R21)
R21_9 "200" RESC1005X40N 44,-1.6 r180 top (schematic designator R21)
R21_10 "200" RESC1005X40N 56.1,-1.6 r180 top (schematic designator R21)
R21_11 "200" RESC1005X40N 159.1,-7.2 r0 top (schematic designator R21)
R21_12 "200" RESC1005X40N 56.1,40.4 r180 top (schematic designator R21)
R21_13 "200" RESC1005X40N 68,40.4 r180 top (schematic designator R21)
R21_14 "200" RESC1005X40N 68,32 r180 top (schematic designator R21)
R21_15 "200" RESC1005X40N 44,23.6 r180 top (schematic designator R21)
R21_16 "200" RESC1005X40N 44,40.4 r180 top (schematic designator R21)
R21_17 "200" RESC1005X40N 44,29.9 r180 top (schematic designator R21)
R21_18 "200" RESC1005X40N 56.1,29.9 r180 top (schematic designator R21)
R21_19 "200" RESC1005X40N 56.1,23.6 r180 top (schematic designator R21)
R21_20 "200" RESC1005X40N 68,23.6 r180 top (schematic designator R21)
R21_21 "200" RESC1005X40N 144.1,67.2 r90 top (schematic designator R21)
R21_22 "200" RESC1005X40N 41.475,82.7 r0 bottom (schematic designator R21)
R21_23 "200" RESC1005X40N 41.475,73.9 r0 bottom (schematic designator R21)
R21_24 "200" RESC1005X40N 41.5,64.1 r0 bottom (schematic designator R21)
R21_25 "200" RESC1005X40N 41.5,55.4 r0 top (schematic designator R21)
R21_26 "200" RESC1005X40N 41.5,47.6 r0 top (schematic designator R21)
R21_27 "200" RESC1005X40N 41.475,78.3 r0 bottom (schematic designator R21)
R21_28 "200" RESC1005X40N 41.5,87.1 r0 bottom (schematic designator R21)
R21_29 "200" RESC1005X40N 41.475,69.5 r0 bottom (schematic designator R21)
R21_30 "200" RESC1005X40N 41.5,59.8 r0 top (schematic designator R21)
R21_31 "200" RESC1005X40N 41.475,51.9 r0 bottom (schematic designator R21)
R21_32 "200" RESC1005X40N 131.4,77.23 r90 top (schematic designator R21)
R21_33 "200" RESC1005X40N 159.1,37.8 r0 top (schematic designator R21)
R21_34 "200" RESC1005X40N 76,88 r180 top (schematic designator R21)
R21_35 "200" RESC1005X40N 56.1,-10 r180 top (schematic designator R21)
R21_36 "200" RESC1005X40N 68,-18.4 r180 top (schematic designator R21)
R21_37 "200" RESC1005X40N 68,-26.8 r180 top (schematic designator R21)
R21_38 "200" RESC1005X40N 44,-26.8 r180 top (schematic designator R21)
R21_39 "200" RESC1005X40N 44,-12.1 r180 top (schematic designator R21)
R21_40 "200" RESC1005X40N 68,-12 r180 top (schematic designator R21)
R21_41 "200" RESC1005X40N 56.1,-18.4 r180 top (schematic designator R21)
R21_42 "200" RESC1005X40N 56,-26.8 r180 top (schematic designator R21)
R21_43 "200" RESC1005X40N 44,-18.4 r180 top (schematic designator R21)
R22_1 "200" RESC1005X40N 159.1,9.8 r0 top (schematic designator R22)
R22_2 "200" RESC1005X40N 56.1,13.2 r180 top (schematic designator R22)
R22_3 "200" RESC1005X40N 56.1,4.8 r180 top (schematic designator R22)
R22_4 "200" RESC1005X40N 68,4.8 r180 top (schematic designator R22)
R22_5 "200" RESC1005X40N 68,-3.6 r180 top (schematic designator R22)
R22_6 "200" RESC1005X40N 44,13.2 r180 top (schematic designator R22)
R22_7 "200" RESC1005X40N 68,15.25 r180 top (schematic designator R22)
R22_8 "200" RESC1005X40N 44,7 r180 top (schematic designator R22)
R22_9 "200" RESC1005X40N 44,-3.6 r180 top (schematic designator R22)
R22_10 "200" RESC1005X40N 56.1,-3.6 r180 top (schematic designator R22)
R22_11 "200" RESC1005X40N 159.1,-5.2 r0 top (schematic designator R22)
R22_12 "200" RESC1005X40N 56.1,38.4 r180 top (schematic designator R22)
R22_13 "200" RESC1005X40N 68,38.4 r180 top (schematic designator R22)
R22_14 "200" RESC1005X40N 68,30 r180 top (schematic designator R22)
R22_15 "200" RESC1005X40N 44,21.6 r180 top (schematic designator R22)
R22_16 "200" RESC1005X40N 44,38.4 r180 top (schematic designator R22)
R22_17 "200" RESC1005X40N 44,32.2 r180 top (schematic designator R22)
R22_18 "200" RESC1005X40N 56.1,32.1 r180 top (schematic designator R22)
R22_19 "200" RESC1005X40N 56.1,21.6 r180 top (schematic designator R22)
R22_20 "200" RESC1005X40N 68,21.6 r180 top (schematic designator R22)
R22_21 "200" RESC1005X40N 143.1,67.2 r90 top (schematic designator R22)
R22_22 "200" RESC1005X40N 41.475,81.7 r0 bottom (schematic designator R22)
R22_23 "200" RESC1005X40N 41.475,72.9 r0 bottom (schematic designator R22)
R22_24 "200" RESC1005X40N 41.5,65.1 r0 bottom (schematic designator R22)
R22_25 "200" RESC1005X40N 41.5,56.4 r0 top (schematic designator R22)
R22_26 "200" RESC1005X40N 41.5,46.6 r0 top (schematic designator R22)
R22_27 "200" RESC1005X40N 41.475,77.3 r0 bottom (schematic designator R22)
R22_28 "200" RESC1005X40N 41.5,86.1 r0 bottom (schematic designator R22)
R22_29 "200" RESC1005X40N 41.475,68.5 r0 bottom (schematic designator R22)
R22_30 "200" RESC1005X40N 41.5,60.8 r0 top (schematic designator R22)
R22_31 "200" RESC1005X40N 41.475,50.9 r0 bottom (schematic designator R22)
R22_32 "200" RESC1005X40N 129.4,77.23 r90 top (schematic designator R22)
R22_33 "200" RESC1005X40N 159.1,39.8 r0 top (schematic designator R22)
R22_34 "200" RESC1005X40N 76,86 r180 top (schematic designator R22)
R22_35 "200" RESC1005X40N 56.1,-12 r180 top (schematic designator R22)
R22_36 "200" RESC1005X40N 68,-20.4 r180 top (schematic designator R22)
R22_37 "200" RESC1005X40N 68,-28.8 r180 top (schematic designator R22)
R22_38 "200" RESC1005X40N 44,-28.8 r180 top (schematic designator R22)
R22_39 "200" RESC1005X40N 44,-10 r180 top (schematic designator R22)
R22_40 "200" RESC1005X40N 68,-10 r180 top (schematic designator R22)
R22_41 "200" RESC1005X40N 56.1,-20.4 r180 top (schematic designator R22)
R22_42 "200" RESC1005X40N 56,-28.8 r180 top (schematic designator R22)
R22_43 "200" RESC1005X40N 44,-20.4 r180 top (schematic designator R22)
R23_1 "10k" RESC1005X40N 163.7,7.8 r270 top (schematic designator R23)
R23_2 "10k" RESC1005X40N 51.5,15.2 r90 top (schematic designator R23)
R23_3 "10k" RESC1005X40N 51.5,6.8 r90 top (schematic designator R23)
R23_4 "10k" RESC1005X40N 63.4,6.8 r90 top (schematic designator R23)
R23_5 "10k" RESC1005X40N 63.4,-1.6 r90 top (schematic designator R23)
R23_6 "10k" RESC1005X40N 39.4,15.2 r90 top (schematic designator R23)
R23_7 "10k" RESC1005X40N 63.4,15.2 r90 top (schematic designator R23)
R23_8 "10k" RESC1005X40N 39.4,6.8 r90 top (schematic designator R23)
R23_9 "10k" RESC1005X40N 39.4,-1.6 r90 top (schematic designator R23)
R23_10 "10k" RESC1005X40N 51.5,-1.6 r90 top (schematic designator R23)
R23_11 "10k" RESC1005X40N 163.7,-7.2 r270 top (schematic designator R23)
R23_12 "10k" RESC1005X40N 51.5,40.4 r90 top (schematic designator R23)
R23_13 "10k" RESC1005X40N 63.4,40.4 r90 top (schematic designator R23)
R23_14 "10k" RESC1005X40N 63.4,32 r90 top (schematic designator R23)
R23_15 "10k" RESC1005X40N 39.4,23.6 r90 top (schematic designator R23)
R23_16 "10k" RESC1005X40N 39.4,40.4 r90 top (schematic designator R23)
R23_17 "10k" RESC1005X40N 39.4,32 r90 top (schematic designator R23)
R23_18 "10k" RESC1005X40N 51.5,32 r90 top (schematic designator R23)
R23_19 "10k" RESC1005X40N 51.5,23.6 r90 top (schematic designator R23)
R23_20 "10k" RESC1005X40N 63.4,23.6 r90 top (schematic designator R23)
R23_21 "10k" RESC1005X40N 150.37,67.6 r270 top (schematic designator R23)
R23_22 "10k" RESC1005X40N 46.775,83.2 r90 bottom (schematic designator R23)
R23_23 "10k" RESC1005X40N 46.775,74.4 r90 bottom (schematic designator R23)
R23_24 "10k" RESC1005X40N 46.775,65.6 r90 bottom (schematic designator R23)
R23_25 "10k" RESC1005X40N 46.8,54.9 r270 top (schematic designator R23)
R23_26 "10k" RESC1005X40N 46.8,46.1 r270 top (schematic designator R23)
R23_27 "10k" RESC1005X40N 46.775,78.8 r90 bottom (schematic designator R23)
R23_28 "10k" RESC1005X40N 46.8,87.6 r90 bottom (schematic designator R23)
R23_29 "10k" RESC1005X40N 46.775,70 r90 bottom (schematic designator R23)
R23_30 "10k" RESC1005X40N 46.8,59.3 r270 top (schematic designator R23)
R23_31 "10k" RESC1005X40N 46.775,52.4 r90 bottom (schematic designator R23)
R23_32 "10k" RESC1005X40N 133.6,80.6 r90 top (schematic designator R23)
R23_33 "10k" RESC1005X40N 163.7,37.8 r270 top (schematic designator R23)
R23_34 "10k" RESC1005X40N 71.4,88 r90 top (schematic designator R23)
R23_35 "10k" RESC1005X40N 51.5,-10 r90 top (schematic designator R23)
R23_36 "10k" RESC1005X40N 63.4,-18.4 r90 top (schematic designator R23)
R23_37 "10k" RESC1005X40N 63.4,-26.8 r90 top (schematic designator R23)
R23_38 "10k" RESC1005X40N 39.4,-26.8 r90 top (schematic designator R23)
R23_39 "10k" RESC1005X40N 39.4,-10 r90 top (schematic designator R23)
R23_40 "10k" RESC1005X40N 63.4,-10 r90 top (schematic designator R23)
R23_41 "10k" RESC1005X40N 51.5,-18.4 r90 top (schematic designator R23)
R23_42 "10k" RESC1005X40N 51.4,-26.8 r90 top (schematic designator R23)
R23_43 "10k" RESC1005X40N 39.4,-18.4 r90 top (schematic designator R23)
R24 "107k" RESC1608X55N 47.3,101.3 r90 top
R25 "143k" RESC1608X55N 57.4,103.9 r270 top
R26 "143k" RESC1608X55N 75.9,105 r270 top
R27 "143k" RESC1608X55N 59,103.9 r270 top
R28 "80k6" RESC1608X55N 63.9,98.1 r270 top
R29 "107k" RESC1608X55N 47.3,98.3 r270 top
R30 "33k2" RESC1608X55N 118,94 r180 top
R31 "0" RESC1005X40N 101.5,107.9 r0 top
R32 "150k" RESC1005X40N 105.3,103.97 r270 top
R33 "33k2" RESC1608X55N 118,101 r180 top
R34 "130k" RESC1005X40N 106.3,103.97 r90 top
R35 "51k" RESC1005X40N 105.3,101.4 r90 top
R36 "33k2" RESC1608X55N 131.25,94 r180 top
R37 "33k2" RESC1608X55N 131.3,99.2 r180 top
R38 "49R9" RESC1005X40N 129,74.5 r270 top
R39 "DNP" RESC1005X40N 129,72.7 r90 top value=0
R40 "4k7" RESC1005X40N 129,68.93 r270 top
R41 "100k" RESC1005X40N 169.07,49.7 r0 bottom
R42 "100k" RESC1005X40N 169.1,34.7 r0 bottom
R43 "100k" RESC1005X40N 169.07,19.7 r0 bottom
R44 "100k" RESC1005X40N 169.07,4.7 r0 bottom
R45 "100k" RESC1005X40N 169.07,-25.3 r0 bottom
R46 "100k" RESC1005X40N 169.13,-10.3 r0 bottom
R47 "100k" RESC1005X40N 60.53,69.59 r90 bottom
R48 "100k" RESC1005X40N 61.9,81.7 r180 bottom
Ref1B "Ref1B" RefPad_1.5mm 25,109 r270 bottom locked
Ref1T "Ref1T" RefPad_1.5mm 25,109 r90 top locked
Ref2B "Ref2B" RefPad_1.5mm 178,103 r270 bottom locked
Ref2T "Ref2T" RefPad_1.5mm 178,103 r90 top locked
Ref3B "Ref3B" RefPad_1.5mm 178,-29 r270 bottom locked
Ref3T "Ref3T" RefPad_1.5mm 178,-29 r90 top locked
S1 "20849-209" "4-pin Switch" 150.1,106.7 r180 bottom
SW1 "Switch" SW_CTS_219-4MST 142.8,41.7 r180 bottom
T1_1 "BSH103" SOT95P230X110-3N 161.2,8.8 r180 top (schematic designator T1)
T1_2 "BSH103" SOT95P230X110-3N 54,14.2 r0 top (schematic designator T1)
T1_3 "BSH103" SOT95P230X110-3N 54,5.8 r0 top (schematic designator T1)
T1_4 "BSH103" SOT95P230X110-3N 65.9,5.8 r0 top (schematic designator T1)
T1_5 "BSH103" SOT95P230X110-3N 65.9,-2.6 r0 top (schematic designator T1)
T1_6 "BSH103" SOT95P230X110-3N 41.9,14.2 r0 top (schematic designator T1)
T1_7 "BSH103" SOT95P230X110-3N 65.9,14.2 r0 top (schematic designator T1)
T1_8 "BSH103" SOT95P230X110-3N 41.9,5.8 r0 top (schematic designator T1)
T1_9 "BSH103" SOT95P230X110-3N 41.9,-2.6 r0 top (schematic designator T1)
T1_10 "BSH103" SOT95P230X110-3N 54,-2.6 r0 top (schematic designator T1)
T1_11 "BSH103" SOT95P230X110-3N 161.2,-6.2 r180 top (schematic designator T1)
T1_12 "BSH103" SOT95P230X110-3N 54,39.4 r0 top (schematic designator T1)
T1_13 "BSH103" SOT95P230X110-3N 65.9,39.4 r0 top (schematic designator T1)
T1_14 "BSH103" SOT95P230X110-3N 65.9,31 r0 top (schematic designator T1)
T1_15 "BSH103" SOT95P230X110-3N 41.9,22.6 r0 top (schematic designator T1)
T1_16 "BSH103" SOT95P230X110-3N 41.9,39.4 r0 top (schematic designator T1)
T1_17 "BSH103" SOT95P230X110-3N 41.9,31 r0 top (schematic designator T1)
T1_18 "BSH103" SOT95P230X110-3N 54,31 r0 top (schematic designator T1)
T1_19 "BSH103" SOT95P230X110-3N 54,22.6 r0 top (schematic designator T1)
T1_20 "BSH103" SOT95P230X110-3N 65.9,22.6 r0 top (schematic designator T1)
T1_21 "BSH103" SOT95P230X110-3N 147.87,68.6 r180 top (schematic designator T1)
T1_22 "BSH103" SOT95P230X110-3N 44.275,82.2 r180 bottom (schematic designator T1)
T1_23 "BSH103" SOT95P230X110-3N 44.275,73.4 r180 bottom (schematic designator T1)
T1_24 "BSH103" SOT95P230X110-3N 44.275,64.6 r180 bottom (schematic designator T1)
T1_25 "BSH103" SOT95P230X110-3N 44.3,55.9 r180 top (schematic designator T1)
T1_26 "BSH103" SOT95P230X110-3N 44.3,47.1 r180 top (schematic designator T1)
T1_27 "BSH103" SOT95P230X110-3N 44.275,77.8 r180 bottom (schematic designator T1)
T1_28 "BSH103" SOT95P230X110-3N 44.3,86.6 r180 bottom (schematic designator T1)
T1_29 "BSH103" SOT95P230X110-3N 44.275,69 r180 bottom (schematic designator T1)
T1_30 "BSH103" SOT95P230X110-3N 44.3,60.3 r180 top (schematic designator T1)
T1_31 "BSH103" SOT95P230X110-3N 44.275,51.4 r180 bottom (schematic designator T1)
T1_32 "BSH103" SOT95P230X110-3N 131.4,79.9 r270 top (schematic designator T1)
T1_33 "BSH103" SOT95P230X110-3N 161.2,38.8 r180 top (schematic designator T1)
T1_34 "BSH103" SOT95P230X110-3N 73.9,87 r0 top (schematic designator T1)
T1_35 "BSH103" SOT95P230X110-3N 54,-11 r0 top (schematic designator T1)
T1_36 "BSH103" SOT95P230X110-3N 65.9,-19.4 r0 top (schematic designator T1)
T1_37 "BSH103" SOT95P230X110-3N 65.9,-27.8 r0 top (schematic designator T1)
T1_38 "BSH103" SOT95P230X110-3N 41.9,-27.8 r0 top (schematic designator T1)
T1_39 "BSH103" SOT95P230X110-3N 41.9,-11 r0 top (schematic designator T1)
T1_40 "BSH103" SOT95P230X110-3N 65.9,-11 r0 top (schematic designator T1)
T1_41 "BSH103" SOT95P230X110-3N 54,-19.4 r0 top (schematic designator T1)
T1_42 "BSH103" SOT95P230X110-3N 53.9,-27.8 r0 top (schematic designator T1)
T1_43 "BSH103" SOT95P230X110-3N 41.9,-19.4 r0 top (schematic designator T1)
TR1_1 "TCM2-43X+" XFMR_MINI-CIRCUITS_DB1627 163.4,8.7 r90 bottom (schematic designator TR1)
TR1_2 "TCM2-43X+" XFMR_MINI-CIRCUITS_DB1627 163.395,23.7 r90 bottom (schematic designator TR1)
TR1_3 "TCM2-43X+" XFMR_MINI-CIRCUITS_DB1627 39.705,14.3 r270 bottom (schematic designator TR1)
TR1_4 "TCM2-43X+" XFMR_MINI-CIRCUITS_DB1627 51.705,14.3 r270 bottom (schematic designator TR1)
TR1_5 "TCM2-43X+" XFMR_MINI-CIRCUITS_DB1627 63.705,14.3 r270 bottom (schematic designator TR1)
TR1_6 "TCM2-43X+" XFMR_MINI-CIRCUITS_DB1627 51.705,5.9 r270 bottom (schematic designator TR1)
TR1_7 "TCM2-43X+" XFMR_MINI-CIRCUITS_DB1627 39.705,5.9 r270 bottom (schematic designator TR1)
TR1_8 "TCM2-43X+" XFMR_MINI-CIRCUITS_DB1627 63.705,5.9 r270 bottom (schematic designator TR1)
TR1_9 "TCM2-43X+" XFMR_MINI-CIRCUITS_DB1627 39.705,-2.5 r270 bottom (schematic designator TR1)
TR1_10 "TCM2-43X+" XFMR_MINI-CIRCUITS_DB1627 63.705,-2.5 r270 bottom (schematic designator TR1)
TR1_11 "TCM2-43X+" XFMR_MINI-CIRCUITS_DB1627 51.705,-2.5 r270 bottom (schematic designator TR1)
TR1_12 "TCM2-43X+" XFMR_MINI-CIRCUITS_DB1627 163.395,-6.3 r90 bottom (schematic designator TR1)
TR1_13 "TCM2-43X+" XFMR_MINI-CIRCUITS_DB1627 163.4,-21.3 r90 bottom (schematic designator TR1)
TR1_14 "TCM2-43X+" XFMR_MINI-CIRCUITS_DB1627 39.705,39.5 r270 bottom (schematic designator TR1)
TR1_15 "TCM2-43X+" XFMR_MINI-CIRCUITS_DB1627 51.705,39.5 r270 bottom (schematic designator TR1)
TR1_16 "TCM2-43X+" XFMR_MINI-CIRCUITS_DB1627 39.705,31.1 r270 bottom (schematic designator TR1)
TR1_17 "TCM2-43X+" XFMR_MINI-CIRCUITS_DB1627 63.705,39.5 r270 bottom (schematic designator TR1)
TR1_18 "TCM2-43X+" XFMR_MINI-CIRCUITS_DB1627 51.705,31.1 r270 bottom (schematic designator TR1)
TR1_19 "TCM2-43X+" XFMR_MINI-CIRCUITS_DB1627 63.705,31.1 r270 bottom (schematic designator TR1)
TR1_20 "TCM2-43X+" XFMR_MINI-CIRCUITS_DB1627 51.705,22.7 r270 bottom (schematic designator TR1)
TR1_21 "TCM2-43X+" XFMR_MINI-CIRCUITS_DB1627 39.705,22.7 r270 bottom (schematic designator TR1)
TR1_22 "TCM2-43X+" XFMR_MINI-CIRCUITS_DB1627 63.705,22.7 r270 bottom (schematic designator TR1)
TR1_23 "TCM2-43X+" XFMR_MINI-CIRCUITS_DB1627 163.4,38.7 r90 bottom (schematic designator TR1)
TR1_24 "TCM2-43X+" XFMR_MINI-CIRCUITS_DB1627 78.19,71.27 r270 bottom (schematic designator TR1)
TR1_25 "TCM2-43X+" XFMR_MINI-CIRCUITS_DB1627 163.39,53.73 r90 bottom (schematic designator TR1)
TR1_26 "TCM2-43X+" XFMR_MINI-CIRCUITS_DB1627 71.63,87.1 r270 bottom (schematic designator TR1)
TR1_27 "TCM2-43X+" XFMR_MINI-CIRCUITS_DB1627 39.705,-10.9 r270 bottom (schematic designator TR1)
TR1_28 "TCM2-43X+" XFMR_MINI-CIRCUITS_DB1627 51.705,-10.9 r270 bottom (schematic designator TR1)
TR1_29 "TCM2-43X+" XFMR_MINI-CIRCUITS_DB1627 63.705,-10.9 r270 bottom (schematic designator TR1)
TR1_30 "TCM2-43X+" XFMR_MINI-CIRCUITS_DB1627 63.705,-19.3 r270 bottom (schematic designator TR1)
TR1_31 "TCM2-43X+" XFMR_MINI-CIRCUITS_DB1627 51.705,-19.3 r270 bottom (schematic designator TR1)
TR1_32 "TCM2-43X+" XFMR_MINI-CIRCUITS_DB1627 63.705,-27.7 r270 bottom (schematic designator TR1)
TR1_33 "TCM2-43X+" XFMR_MINI-CIRCUITS_DB1627 51.705,-27.7 r270 bottom (schematic designator TR1)
TR1_34 "TCM2-43X+" XFMR_MINI-CIRCUITS_DB1627 39.71,-27.73 r270 bottom (schematic designator TR1)
TR1_35 "TCM2-43X+" XFMR_MINI-CIRCUITS_DB1627 39.705,-19.3 r270 bottom (schematic designator TR1)
U1 "ADCLK954BCPZ" ADI-CP-40-8_M 142.8,60.35 r0 bottom
U2 "ADCLK954BCPZ" ADI-CP-40-8_M 132,71.25 r0 bottom locked
U3_1 "ADCLK954BCPZ" ADI-CP-40-8_M 95.8,36.1 r0 bottom (schematic designator U3)
U3_2 "ADCLK954BCPZ" ADI-CP-40-8_M 95.9,61.1 r0 bottom (schematic designator U3)